# Allegro board 038NC-GRIFFI-V9A_16.brd (continued)
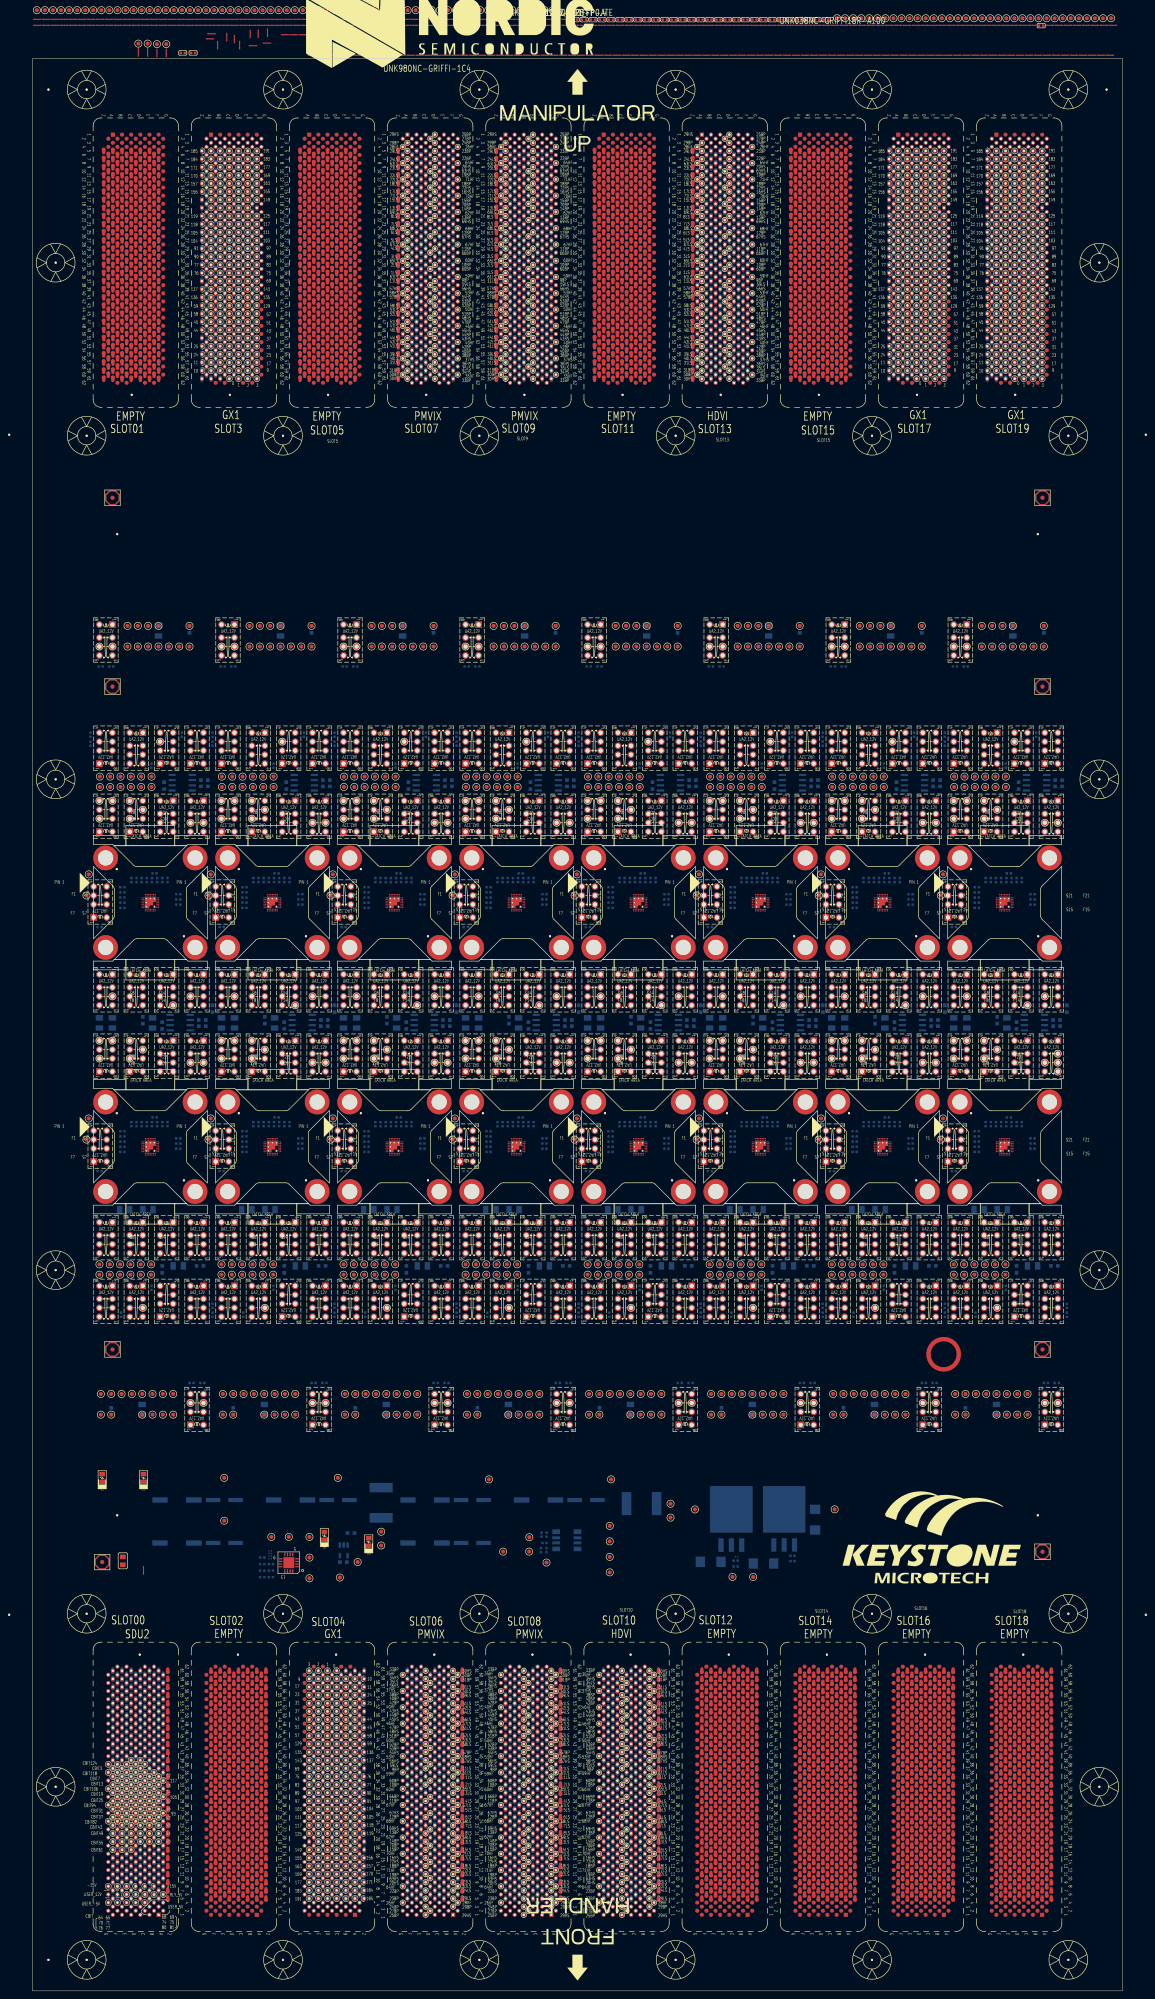
[diagram p0: board, top side]
## Placement (name value [footprint] x y rotation side) (continued)
NOREF#1850  -  []  199.67 242.27 90 top
NOREF#1851  -  []  35.02 284.14 0 top
NOREF#1852  -  []  124.59 228.18 90 top
NOREF#1853  -  []  38.86 307.08 90 top
NOREF#1854  -  []  200.48 210.77 0 top
NOREF#1855  -  []  228.48 174.1 0 top
NOREF#1856  -  []  75.06 207.06 90 top
NOREF#1857  -  []  71.02 250.67 0 top
NOREF#1858  -  []  79.67 183.53 90 top
NOREF#1859  -  []  112.99 188.49 0 top
NOREF#1860  -  []  232.98 248.49 90 top
NOREF#1861  -  []  90.18 205.86 90 top
NOREF#1862  -  []  109.67 165.7 90 top
NOREF#1863  -  []  49.52 17.15 90 top
NOREF#1864  -  []  218.86 292.54 0 top
NOREF#1865  -  []  235.81 19.69 90 top
NOREF#1866  -  []  192.06 246.67 90 top
NOREF#1867  -  []  104.99 223.99 0 top
NOREF#1868  -  []  110.48 210.77 0 top
NOREF#1869  -  []  42.06 246.67 90 top
NOREF#1870  -  []  115.94 189.73 0 top
NOREF#1871  -  []  59.39 209.51 0 top
NOREF#1872  -  []  212.82 396.29 0 top
NOREF#1873  -  []  79.67 185.73 90 top
NOREF#1874  -  []  79.94 300.88 0 top
NOREF#1875  -  []  135.92 284.14 90 top
NOREF#1876  -  []  150.33 266.14 90 top
NOREF#1877  -  []  200.48 270.77 0 top
NOREF#1878  -  []  177.36 268.69 0 top
NOREF#1879  -  []  80.74 275.74 0 top
NOREF#1880  -  []  92.32 120.65 0 top
NOREF#1881  -  []  244.59 181.33 90 top
NOREF#1882  -  []  113.93 231.38 90 top
NOREF#1883  -  []  97.78 17.2 90 top
NOREF#1884  -  []  222.06 165.7 90 top
NOREF#1885  -  []  184.59 289.34 90 top
NOREF#1886  -  []  226.47 288.14 90 top
NOREF#1887  -  []  177.13 183.53 90 top
NOREF#1888  -  []  76.47 304.88 90 top
NOREF#1889  -  []  146.04 17.15 90 top
NOREF#1890  -  []  121.39 307.08 90 top
NOREF#1891  -  []  104.84 117.35 0 top
NOREF#1892  -  []  119.39 269.51 0 top
NOREF#1893  -  []  170.48 210.77 0 top
NOREF#1894  -  []  64.59 185.73 90 top
NOREF#1895  -  []  164.55 18.69 0 top
NOREF#1896  -  []  162.06 246.67 90 top
NOREF#1897  -  []  121.01 206.29 90 top
NOREF#1898  -  []  150.33 206.14 90 top
NOREF#1899  -  []  71.02 189.73 0 top
NOREF#1900  -  []  19.78 456.29 0 top
NOREF#1901  -  []  162.06 230.38 90 top
NOREF#1902  -  []  25.95 189.73 0 top
NOREF#1903  -  []  139.67 185.73 90 top
NOREF#1904  -  []  258.36 240.62 90 top
NOREF#1905  -  []  124.59 246.67 90 top
NOREF#1906  -  []  77.99 218.49 0 top
NOREF#1907  -  []  179.29 207.51 45 top
NOREF#1908  -  []  19.67 181.33 90 top
NOREF#1909  -  []  22.53 310.93 0 top
NOREF#1910  -  []  27.13 246.67 90 top
NOREF#1911  -  []  138.48 174.1 0 top
NOREF#1912  -  []  132.48 284.14 0 top
NOREF#1913  -  []  28.78 456.29 0 top
NOREF#1914  -  []  139.67 181.33 90 top
NOREF#1915  -  []  228.48 250.67 0 top
NOREF#1916  -  []  124.59 183.53 90 top
NOREF#1917  -  []  236.95 396.29 0 top
NOREF#1918  -  []  167.98 218.49 0 top
NOREF#1919  -  []  175.7 198.99 90 top
NOREF#1920  -  []  105.92 225.18 90 top
NOREF#1921  -  []  95.02 225.18 0 top
NOREF#1922  -  []  221.02 336.66 0 top
NOREF#1923  -  []  49.67 242.27 90 top
NOREF#1924  -  []  37.24 259.24 90 top
NOREF#1925  -  []  110.74 215.74 0 top
NOREF#1926  -  []  53.93 188.93 0 top
NOREF#1927  -  []  118.37 267.15 315 top
NOREF#1928  -  []  85.97 240.62 90 top
NOREF#1929  -  []  223.01 240.57 90 top
NOREF#1930  -  []  248.86 307.08 90 top
NOREF#1931  -  []  158.86 188.93 0 top
NOREF#1932  -  []  252.06 289.34 90 top
NOREF#1933  -  []  113.93 225.98 0 top
NOREF#1934  -  []  124.59 230.38 90 top
NOREF#1935  -  []  211.39 304.88 90 top
NOREF#1936  -  []  147.36 208.69 0 top
NOREF#1937  -  []  214.59 244.47 90 top
NOREF#1938  -  []  173.93 249.87 0 top
NOREF#1939  -  []  124.59 244.47 90 top
NOREF#1940  -  []  192.48 225.18 0 top
NOREF#1941  -  []  222.06 289.34 90 top
NOREF#1942  -  []  104.99 250.99 90 top
NOREF#1943  -  []  123.43 300.03 90 top
NOREF#1944  -  []  162.06 287.14 90 top
NOREF#1945  -  []  14.51 203.06 90 top
NOREF#1946  -  []  123.43 164.05 90 top
NOREF#1947  -  []  117.13 306.08 90 top
NOREF#1948  -  []  153.43 240.62 90 top
NOREF#1949  -  []  244.59 183.53 90 top
NOREF#1950  -  []  221.02 250.67 0 top
NOREF#1951  -  []  154.59 183.53 90 top
NOREF#1952  -  []  241.16 295.41 90 top
NOREF#1953  -  []  107.21 143.34 90 top
NOREF#1954  -  []  27.13 183.53 90 top
NOREF#1955  -  []  225.06 267.06 90 top
NOREF#1956  -  []  229.67 328.26 90 top
NOREF#1957  -  []  63.43 240.62 90 top
NOREF#1958  -  []  194.98 250.99 90 top
NOREF#1959  -  []  194.98 190.99 90 top
NOREF#1960  -  []  170.17 17.15 90 top
NOREF#1961  -  []  250.83 14.59 90 top
NOREF#1962  -  []  149.29 207.51 45 top
NOREF#1963  -  []  128.39 193.49 45 top
NOREF#1964  -  []  87.13 301.68 90 top
NOREF#1965  -  []  237.13 170.1 90 top
NOREF#1966  -  []  194.98 221.49 90 top
NOREF#1967  -  []  122.91 82.65 0 top
NOREF#1968  -  []  70.76 109.19 90 top
NOREF#1969  -  []  151.39 165.7 90 top
NOREF#1970  -  []  127.36 333.84 90 top
NOREF#1971  -  []  60.34 206.14 90 top
NOREF#1972  -  []  175.64 103.13 90 top
NOREF#1973  -  []  161.02 336.66 0 top
NOREF#1974  -  []  109.94 164.9 0 top
NOREF#1975  -  []  200.73 275.74 0 top
NOREF#1976  -  []  179.32 208.11 315 top
NOREF#1977  -  []  40.9 237.58 90 top
NOREF#1978  -  []  196.47 301.68 0 top
NOREF#1979  -  []  16.47 231.38 90 top
NOREF#1980  -  []  243.41 293.34 0 top
NOREF#1981  -  []  98.39 253.49 45 top
NOREF#1982  -  []  130.18 389.27 90 top
NOREF#1983  -  []  177.63 268.84 0 top
NOREF#1984  -  []  175.97 240.62 90 top
NOREF#1985  -  []  209.38 269.51 0 top
NOREF#1986  -  []  208.35 207.84 315 top
NOREF#1987  -  []  248.86 139.12 0 top
NOREF#1988  -  []  207.13 246.67 90 top
NOREF#1989  -  []  128.86 173.3 0 top
NOREF#1990  -  []  57.82 107.19 0 top
NOREF#1991  -  []  4.17 164.05 90 top
NOREF#1992  -  []  233.93 225.98 90 top
NOREF#1993  -  []  136.47 307.08 90 top
NOREF#1994  -  []  22.99 248.49 90 top
NOREF#1995  -  []  226.69 14.59 90 top
NOREF#1996  -  []  197.21 143.34 90 top
NOREF#1997  -  []  239.38 209.51 0 top
NOREF#1998  -  []  112.99 286.49 0 top
NOREF#1999  -  []  94.59 284.94 90 top
NOREF#2000  -  []  241.58 392.33 90 top
NOREF#2001  -  []  192.06 225.98 90 top
NOREF#2002  -  []  131.02 174.1 0 top
NOREF#2003  -  []  214.59 287.14 90 top
NOREF#2004  -  []  102.06 230.38 90 top
NOREF#2005  -  []  19.67 242.27 90 top
NOREF#2006  -  []  110.48 270.77 0 top
NOREF#2007  -  []  106.47 288.14 90 top
NOREF#2008  -  []  241.39 165.7 90 top
NOREF#2009  -  []  27.13 165.7 90 top
NOREF#2010  -  []  192.06 181.33 90 top
NOREF#2011  -  []  197.98 196.49 90 top
NOREF#2012  -  []  77.04 456.29 0 top
NOREF#2013  -  []  34.6 183.53 90 top
NOREF#2014  -  []  40.9 239.1 90 top
NOREF#2015  -  []  34.6 181.33 90 top
NOREF#2016  -  []  60.19 265.47 90 top
NOREF#2017  -  []  224.06 18.69 90 top
NOREF#2018  -  []  135.06 263.86 90 top
NOREF#2019  -  []  90.34 206.14 90 top
NOREF#2020  -  []  49.67 330.46 90 top
NOREF#2021  -  []  46.47 335.86 0 top
NOREF#2022  -  []  128.66 177.76 90 top
NOREF#2023  -  []  196.47 284.94 90 top
NOREF#2024  -  []  145.94 189.73 0 top
NOREF#2025  -  []  53.93 284.94 0 top
NOREF#2026  -  []  104.51 203.06 90 top
NOREF#2027  -  []  177.79 269.51 0 top
NOREF#2028  -  []  83.93 231.38 90 top
NOREF#2029  -  []  188.31 138.32 90 top
NOREF#2030  -  []  140.48 210.77 0 top
NOREF#2031  -  []  83.38 284.14 90 top
NOREF#2032  -  []  220.89 224.33 90 top
NOREF#2033  -  []  240.65 236.45 90 top
NOREF#2034  -  []  151.39 249.87 0 top
NOREF#2035  -  []  97.78 17.2 0 top
NOREF#2036  -  []  151.01 206.29 90 top
NOREF#2037  -  []  166.47 188.93 0 top
NOREF#2038  -  []  94.59 289.34 90 top
NOREF#2039  -  []  87.41 300.88 0 top
NOREF#2040  -  []  207.13 170.1 90 top
NOREF#2041  -  []  145.88 237.76 90 top
NOREF#2042  -  []  135.15 107.82 90 top
NOREF#2043  -  []  197.98 218.49 0 top
NOREF#2044  -  []  27.79 209.51 0 top
NOREF#2045  -  []  172.98 248.49 0 top
NOREF#2046  -  []  116.3 396.29 0 top
NOREF#2047  -  []  58.12 107.52 0 top
NOREF#2048  -  []  165.06 207.06 90 top
NOREF#2049  -  []  165.06 269.26 90 top
NOREF#2050  -  []  128.86 139.12 0 top
NOREF#2051  -  []  117.13 303.88 90 top
NOREF#2052  -  []  120.18 265.86 90 top
NOREF#2053  -  []  241.01 206.29 90 top
NOREF#2054  -  []  213.41 293.34 0 top
NOREF#2055  -  []  203.38 225.18 90 top
NOREF#2056  -  []  176.71 106.64 0 top
NOREF#2057  -  []  180.67 176.51 90 top
NOREF#2058  -  []  187.55 263.78 0 top
NOREF#2059  -  []  199.94 164.9 0 top
NOREF#2060  -  []  196.47 173.3 0 top
NOREF#2061  -  []  181.39 165.7 90 top
NOREF#2062  -  []  117.13 181.33 90 top
NOREF#2063  -  []  38.86 173.3 0 top
NOREF#2064  -  []  169.67 330.46 90 top
NOREF#2065  -  []  19.67 244.47 90 top
NOREF#2066  -  []  196.47 301.68 90 top
NOREF#2067  -  []  177.13 244.47 90 top
NOREF#2068  -  []  17.99 256.49 90 top
NOREF#2069  -  []  194.3 17.15 90 top
NOREF#2070  -  []  136.47 229.18 90 top
NOREF#2071  -  []  202.56 389.27 90 top
NOREF#2072  -  []  199.94 300.88 0 top
NOREF#2073  -  []  92.17 396.29 0 top
NOREF#2074  -  []  78.48 310.08 0 top
NOREF#2075  -  []  55.97 164.05 90 top
NOREF#2076  -  []  145.94 293.34 0 top
NOREF#2077  -  []  153.41 250.67 0 top
NOREF#2078  -  []  139.67 165.7 90 top
NOREF#2079  -  []  147.13 185.73 90 top
NOREF#2080  -  []  23.93 225.98 0 top
NOREF#2081  -  []  53.93 173.3 0 top
NOREF#2082  -  []  197.98 256.49 90 top
NOREF#2083  -  []  177.13 301.68 90 top
NOREF#2084  -  []  64.59 246.67 90 top
NOREF#2085  -  []  239.38 269.51 0 top
NOREF#2086  -  []  89.32 268.11 315 top
NOREF#2087  -  []  154.59 284.94 90 top
NOREF#2088  -  []  187.36 333.84 90 top
NOREF#2089  -  []  93.43 240.62 90 top
NOREF#2090  -  []  105.06 203.86 90 top
NOREF#2091  -  []  55.7 258.99 90 top
NOREF#2092  -  []  42.06 170.1 90 top
NOREF#2093  -  []  163.73 107.06 0 top
NOREF#2094  -  []  210.18 265.86 90 top
NOREF#2095  -  []  175.94 234.38 0 top
NOREF#2096  -  []  211.39 168.9 90 top
NOREF#2097  -  []  170.48 270.77 0 top
NOREF#2098  -  []  46.47 288.14 90 top
NOREF#2099  -  []  217.45 392.33 90 top
NOREF#2100  -  []  61.4 171.1 90 top
NOREF#2101  -  []  109.67 183.53 90 top
NOREF#2102  -  []  53.93 231.38 90 top
NOREF#2103  -  []  241.39 301.68 0 top
NOREF#2104  -  []  134.51 203.06 90 top
NOREF#2105  -  []  15.06 263.86 90 top
NOREF#2106  -  []  106.47 229.18 90 top
NOREF#2107  -  []  147.13 165.7 90 top
NOREF#2108  -  []  28.35 207.84 45 top
NOREF#2109  -  []  136.47 301.68 90 top
NOREF#2110  -  []  72.06 181.33 90 top
NOREF#2111  -  []  49.52 17.15 0 top
NOREF#2112  -  []  91.01 206.69 90 top
NOREF#2113  -  []  64.59 244.47 90 top
NOREF#2114  -  []  44.99 250.99 90 top
NOREF#2115  -  []  28.65 266.87 45 top
NOREF#2116  -  []  226.47 225.98 90 top
NOREF#2117  -  []  178.65 266.87 45 top
NOREF#2118  -  []  233.93 249.87 0 top
NOREF#2119  -  []  222.48 284.14 0 top
NOREF#2120  -  []  44.99 221.49 90 top
NOREF#2121  -  []  198.48 250.67 0 top
NOREF#2122  -  []  214.59 185.73 90 top
NOREF#2123  -  []  229.67 242.27 90 top
NOREF#2124  -  []  226.47 188.93 0 top
NOREF#2125  -  []  192.06 183.53 90 top
NOREF#2126  -  []  172.98 248.49 90 top
NOREF#2127  -  []  128.86 139.12 90 top
NOREF#2128  -  []  71.02 174.1 0 top
NOREF#2129  -  []  85.97 164.05 90 top
NOREF#2130  -  []  75.06 267.06 90 top
NOREF#2131  -  []  146.03 119.76 0 top
NOREF#2132  -  []  19.67 330.46 90 top
NOREF#2133  -  []  43.46 240.62 90 top
NOREF#2134  -  []  31.4 301.68 90 top
NOREF#2135  -  []  104.99 193.49 90 top
NOREF#2136  -  []  173.93 284.94 0 top
NOREF#2137  -  []  150.18 265.86 90 top
NOREF#2138  -  []  242.56 17.15 0 top
NOREF#2139  -  []  83.93 225.98 0 top
NOREF#2140  -  []  120.34 206.14 90 top
NOREF#2141  -  []  158.39 253.49 45 top
NOREF#2142  -  []  248.31 138.32 90 top
NOREF#2143  -  []  184.59 183.53 90 top
NOREF#2144  -  []  124.59 284.94 90 top
NOREF#2145  -  []  232.98 226.49 0 top
NOREF#2146  -  []  106.47 307.08 90 top
NOREF#2147  -  []  71.82 117.35 90 top
NOREF#2148  -  []  59.3 120.65 0 top
NOREF#2149  -  []  14.99 250.99 90 top
NOREF#2150  -  []  98.39 193.49 45 top
NOREF#2151  -  []  252.06 167.9 90 top
NOREF#2152  -  []  68.86 233.58 0 top
NOREF#2153  -  []  203.93 284.94 90 top
NOREF#2154  -  []  134.98 190.99 90 top
NOREF#2155  -  []  251.4 296.54 90 top
NOREF#2156  -  []  120.65 236.45 90 top
NOREF#2157  -  []  61.4 168.9 90 top
NOREF#2158  -  []  63.61 203.06 0 top
NOREF#2159  -  []  226.47 304.88 90 top
NOREF#2160  -  []  22.99 286.49 0 top
NOREF#2161  -  []  180.84 300.88 90 top
NOREF#2162  -  []  214.59 284.94 90 top
NOREF#2163  -  []  79.67 332.66 90 top
NOREF#2164  -  []  44.99 190.99 90 top
NOREF#2165  -  []  68.86 144.52 90 top
NOREF#2166  -  []  78.36 283.29 90 top
NOREF#2167  -  []  188.69 396.29 0 top
NOREF#2168  -  []  38.86 301.68 0 top
NOREF#2169  -  []  128.86 142.32 90 top
NOREF#2170  -  []  109.67 246.67 90 top
NOREF#2171  -  []  64.59 289.34 90 top
NOREF#2172  -  []  83.93 284.94 0 top
NOREF#2173  -  []  242.56 17.15 90 top
NOREF#2174  -  []  55.7 198.99 90 top
NOREF#2175  -  []  0 0 90 top
NOREF#2176  -  []  165.92 300.88 90 top
NOREF#2177  -  []  74.51 203.06 90 top
NOREF#2178  -  []  43.91 456.29 0 top
NOREF#2179  -  []  34.6 284.94 90 top
NOREF#2180  -  []  117.41 300.88 0 top
NOREF#2181  -  []  145.7 258.99 90 top
NOREF#2182  -  []  158.86 292.54 0 top
NOREF#2183  -  []  211.68 19.69 90 top
NOREF#2184  -  []  108.36 240.62 90 top
NOREF#2185  -  []  180.33 266.14 90 top
NOREF#2186  -  []  76.47 188.93 0 top
NOREF#2187  -  []  140.48 270.77 0 top
NOREF#2188  -  []  120.84 164.9 90 top
NOREF#2189  -  []  162.06 181.33 90 top
NOREF#2190  -  []  248.86 233.58 0 top
NOREF#2191  -  []  121.39 301.68 0 top
NOREF#2192  -  []  43.9 20.69 90 top
NOREF#2193  -  []  195.06 209.26 90 top
NOREF#2194  -  []  30.34 266.14 90 top
NOREF#2195  -  []  136.47 284.94 0 top
NOREF#2196  -  []  74.99 221.49 90 top
NOREF#2197  -  []  63.41 293.34 0 top
NOREF#2198  -  []  147.13 246.67 90 top
NOREF#2199  -  []  75.06 269.26 90 top
NOREF#2200  -  []  139.67 328.26 90 top
NOREF#2201  -  []  42.61 174.1 0 top
NOREF#2202  -  []  31.4 292.54 0 top
NOREF#2203  -  []  207.13 181.33 90 top
NOREF#2204  -  []  31.4 171.1 90 top
NOREF#2205  -  []  82.73 114.89 90 top
NPM1212-GRIFFI  REF-CODE-CHIP  [CHIP_CODE]  129.78 486.39 0 top
NPM1212-QFN28-P0.4  REF-CODE-CHIP  [CHIP_CODE]  130.39 486.39 0 top
R7  20K-1-S2  [R0201]  58.42 108.17 0 bottom
R8  20K-1-S2  [R0201]  58.42 107.52 0 bottom
R9  20K-1-S2  [R0201]  58.42 106.22 0 bottom
R10  20K-1-S2  [R0201]  58.42 106.87 0 bottom
R21  10K-1-S4  [R0402]  126.36 108.34 90 bottom
R22  0-1-S4-YA  [R0402]  125.14 112.15 270 bottom
R23  0-1-S4-YA  [R0402]  125.01 108.34 270 bottom
R24  0-1-S4-YA  [R0402]  125.86 110.11 180 bottom
R376  118-1-S2-YA  [R0201]  173.06 106.73 0 bottom
R378  365-1-S4  [R0402]  186.82 105.63 180 bottom
R381  750-1-S4  [R0402]  172.86 105.74 180 bottom
R382  75-1-S4  [R0402]  172.86 104.32 0 bottom
R383  121-1-S4  [R0402]  186.82 106.94 0 bottom
REG1_P3V3  TP01  [TP_040_T]  75.57 101.6 0 top
REG1_P_5V  TP01  [TP_040_T]  197.21 118.36 0 top
REG1_P_10V  TP01  [TP_040_T]  162.85 118.34 0 top
RLY_5V1  LDG-2-S8  [LED_0805]  27.31 126.05 90 top
SDUP5V1  TP01  [TP_040_T]  85.73 112.86 270 top
SDUP15V1  TP01  [TP_040_T]  156.86 119.76 0 top
SITE1  NPM1212-QFN28-P0.4  [SK_QFN4X4_56P_0P4MM_GRIFFI]  28.99 267.49 0 top
SITE2  NPM1212-QFN28-P0.4  [SK_QFN4X4_56P_0P4MM_GRIFFI]  28.99 207.49 0 top
SITE3  NPM1212-QFN28-P0.4  [SK_QFN4X4_56P_0P4MM_GRIFFI]  58.99 267.49 0 top
SITE4  NPM1212-QFN28-P0.4  [SK_QFN4X4_56P_0P4MM_GRIFFI]  58.99 207.49 0 top
SITE5  NPM1212-QFN28-P0.4  [SK_QFN4X4_56P_0P4MM_GRIFFI]  88.99 267.49 0 top
SITE6  NPM1212-QFN28-P0.4  [SK_QFN4X4_56P_0P4MM_GRIFFI]  88.99 207.49 0 top
SITE7  NPM1212-QFN28-P0.4  [SK_QFN4X4_56P_0P4MM_GRIFFI]  118.99 267.49 0 top
SITE8  NPM1212-QFN28-P0.4  [SK_QFN4X4_56P_0P4MM_GRIFFI]  118.99 207.49 0 top
SITE9  NPM1212-QFN28-P0.4  [SK_QFN4X4_56P_0P4MM_GRIFFI]  148.98 267.49 0 top
SITE10  NPM1212-QFN28-P0.4  [SK_QFN4X4_56P_0P4MM_GRIFFI]  148.98 207.49 0 top
SITE11  NPM1212-QFN28-P0.4  [SK_QFN4X4_56P_0P4MM_GRIFFI]  178.98 267.49 0 top
SITE12  NPM1212-QFN28-P0.4  [SK_QFN4X4_56P_0P4MM_GRIFFI]  178.98 207.49 0 top
SITE13  NPM1212-QFN28-P0.4  [SK_QFN4X4_56P_0P4MM_GRIFFI]  208.98 267.49 0 top
SITE14  NPM1212-QFN28-P0.4  [SK_QFN4X4_56P_0P4MM_GRIFFI]  208.98 207.49 0 top
SITE15  NPM1212-QFN28-P0.4  [SK_QFN4X4_56P_0P4MM_GRIFFI]  238.98 267.49 0 top
SITE16  NPM1212-QFN28-P0.4  [SK_QFN4X4_56P_0P4MM_GRIFFI]  238.98 207.49 0 top
SLOT0  DIAMONDX_SLOT0_SDU2  [PG_LTXDX_F_X1_SDU2_SL00_V3]  133.99 237.49 0 top
SLOT1  DIAMONDX_X1_DUT  [PG_LTXDX_F_X1_PG400ND_SL01_V3]  133.99 237.49 0 top
SLOT2  DIAMONDX_X1_DUT  [PG_LTXDX_F_X1_PG400ND_SL02_V3]  133.99 237.49 0 top
SLOT3  DIAMONDX_SLOT3_GX1X  [PG_LTXDX_F_X1_GX1X_SL03_V2]  133.99 237.49 0 top
SLOT4  DIAMONDX_SLOT4_GX1X  [PG_LTXDX_F_X1_GX1X_SL04]  133.99 237.49 0 top
SLOT5  DIAMONDX_X1_DUT  [PG_LTXDX_F_X1_PG400ND_SL05_V3]  133.99 237.49 0 top
SLOT6  DIAMONDX_SLOT6_PMVIX  [PG_LTXDX_F_X1_PMVIX_SL06]  133.99 237.49 0 top
SLOT7  DIAMONDX_SLOT7_PMVIX  [PG_LTXDX_F_X1_PMVIX_SL07]  133.99 237.49 0 top
SLOT8  DIAMONDX_SLOT8_PMVIX  [PG_LTXDX_F_X1_PMVIX_SL08]  133.99 237.49 0 top
SLOT9  DIAMONDX_SLOT9_PMVIX  [PG_LTXDX_F_X1_PMVIX_SL09]  133.99 237.49 0 top
SLOT10  DIAMONDX_SLOT10_HDVI  [PG_LTXDX_F_X1_HDVI_SL10_V3]  133.99 237.49 0 top
SLOT11  DIAMONDX_X1_DUT  [PG_LTXDX_F_X1_PG400ND_SL11_V3]  133.99 237.49 0 top
SLOT12  DIAMONDX_X1_DUT  [PG_LTXDX_F_X1_PG400ND_SL12_V3]  133.99 237.49 0 top
SLOT13  DIAMONDX_SLOT13_HDVI  [PG_LTXDX_F_X1_HDVI_SL13_V3]  133.99 237.49 0 top
SLOT14  DIAMONDX_X1_DUT  [PG_LTXDX_F_X1_PG400ND_SL14_V3]  133.99 237.49 0 top
SLOT15  DIAMONDX_X1_DUT  [PG_LTXDX_F_X1_PG400ND_SL15_V3]  133.99 237.49 0 top
SLOT16  DIAMONDX_X1_DUT  [PG_LTXDX_F_X1_PG400ND_SL16_V3]  133.99 237.49 0 top
SLOT17  DIAMONDX_SLOT17_GX1X  [PG_LTXDX_F_X1_GX1_SL17_V2]  133.99 237.49 0 top
SLOT18  DIAMONDX_X1_DUT  [PG_LTXDX_F_X1_PG400ND_SL18_V3]  133.99 237.49 0 top
SLOT19  DIAMONDX_SLOT19_GX1X  [PG_LTXDX_F_X1_GX1_SL19_V2]  133.99 237.49 0 top
T_+15V  TP01  [TP_040_T]  142.22 125.73 0 top
T_-15V  TP01  [TP_040_T]  47.14 115.57 0 top
T_RLY_5V  TP01  [TP_040_T]  47.14 126.11 0 top
T_USER_5V  TP01  [TP_040_T]  75.08 126.11 0 top
T_USER_12V  TP01  [TP_040_T]  112.22 125.73 0 top
T_USER_-5V  TP01  [TP_040_T]  115.7 107.98 0 top
TP_EEP_GND  TP01  [TP_040_T]  141.91 106.68 0 top
TP_EPP_SCLK  TP01  [TP_040_T]  122.15 111.51 0 top
TP_EPP_SCLK_DGND1  TP01  [TP_040_T]  141.91 110.49 0 top
TP_EPP_SDA  TP01  [TP_040_T]  122.1 107.98 0 top
TP_EPP_SDA_DGND1  TP01  [TP_040_T]  141.91 102.87 0 top
TP_EPP_VCC  TP01  [TP_040_T]  126.37 105.28 0 top
TP_EPP_VCC_DGND1  TP01  [TP_040_T]  141.91 114.3 0 top
TP_REG1_P3V3  TP01  [TP_040_T]  79.94 105.41 0 top
TP_REG1_P_5V_DGND  TP01  [TP_040_T]  177.17 101.75 0 top
TP_REG1_P_10V_DGND  TP01  [TP_040_T]  172.09 101.75 0 top
TP_SDUP5V1  TP01  [TP_040_T]  85.73 109.47 270 top
TP_SDUP15V1  TP01  [TP_040_T]  156.86 116.33 0 top
TP_USER_GND1  TP01  [TP_040_T]  63.02 111.58 90 top
TP_USER_SCLK1  TP01  [TP_040_T]  68.1 101.42 0 top
TP_USER_SCLK1_DGND1  TP01  [TP_040_T]  68.1 106.5 0 top
TP_USER_SDA1  TP01  [TP_040_T]  58.72 111.58 0 top
TP_USER_SDA1_DGND1  TP01  [TP_040_T]  68.1 111.58 0 top
U4  ADT7420UCPZ-LFCSP16  [LFCSP16_0P65MM_G]  63.02 105.23 180 top
U6  AT24C512C-SSHM-T-SOIC8  [SO8_206X127MM]  131.34 110.74 180 bottom
U44  ADP151AUJZ-0.2A-33-TSOT23-5  [TSOT23-5]  76.51 108.28 180 bottom
U46  LM1086-1.5A-A-TO263-1  [TO263_3]  171.81 115.93 180 bottom
U47  LM1086-1.5A-A-TO263-1  [TO263_3]  184.79 115.95 180 bottom
UNK0BS1  SHORT  [DEFAULT_SHORT_SMALL]  33.48 57.25 90 top
UNK0BS2  SHORT  [DEFAULT_SHORT_SMALL]  27.31 103.38 270 top
UNK1C1  1U-6.3-X7R-S6-MU  [C0603]  38.61 334.69 270 bottom
UNK1C2  2.2U-25-X8R-SA-TDK  [C1206]  29.52 237.92 90 bottom
UNK1C3  10U-6.3-X7R-S6-SS  [C0603]  27.13 238.61 270 bottom
UNK1C4  2.2U-25-X8R-SA-TDK  [C1206]  19.67 237.92 90 bottom
UNK1C5  2.2U-25-X8R-SA-TDK  [C1206]  16.47 237.92 270 bottom
UNK1C6  4.7U-6.3-X-S6  [C0603]  44.26 241.42 270 bottom
UNK1C7  0.1U-25-X7R-S6-YA  [C0603]  42.25 297.61 0 bottom
UNK1C8  1U-50-X7R-S6-TY  [C0603]  42.25 296.09 0 bottom
UNK1C9  0.1U-25-X7R-S6-YA  [C0603]  32.41 296.26 270 bottom
UNK1C12  2.2U-25-X8R-SA-TDK  [C1206]  30.99 334.29 270 bottom
UNK1CS1  CNC-S4  [C0402]  22.12 271.3 180 bottom
UNK1CS4  CNC-S4  [C0402]  22.12 267.49 0 bottom
UNK1CS5  CNC-S4  [C0402]  22.12 266.22 0 bottom
UNK1CS19  CNC-S4  [C0402]  35.85 267.02 0 bottom
UNK1CS20  CNC-S4  [C0402]  35.85 268.29 0 bottom
UNK1CS21  CNC-S4  [C0402]  35.85 269.56 0 bottom
UNK1CS22  CNC-S4  [C0402]  33.2 273.05 90 bottom
UNK1CS23  CNC-S4  [C0402]  31.93 273.05 90 bottom
UNK1CS25  CNC-S4  [C0402]  28.12 273.05 90 bottom
UNK1CS26  CNC-S4  [C0402]  26.85 273.05 270 bottom
UNK1CS27  CNC-S4  [C0402]  25.58 273.05 270 bottom
UNK1CS28  CNC-S4  [C0402]  24.31 273.05 90 bottom
UNK1K1  UA2-12NJ-V2  [RL_NECUA2_12V_V2]  33 246.27 90 bottom
UNK1K2  UA2-12NJ-V2  [RL_NECUA2_12V_V2]  25.53 246.27 90 bottom
UNK1K3  UA2-12NJ-V2  [RL_NECUA2_12V_V2]  16.66 267.46 270 bottom
UNK1K4  UA2-12NJ-V2  [RL_NECUA2_12V_V2]  33 305.28 270 bottom
UNK1K5  UA2-12NJ-V2  [RL_NECUA2_12V_V2]  40.46 305.28 270 bottom
UNK1K6  UA2-12NJ-V2  [RL_NECUA2_12V_V2]  25.53 305.68 90 bottom
UNK1K7  UA2-12NJ-V2  [RL_NECUA2_12V_V2]  18.07 305.28 270 bottom
UNK1K8  UA2-12NJ-V2  [RL_NECUA2_12V_V2]  18.07 246.27 90 bottom
UNK1K9  UA2-12NJ-V2  [RL_NECUA2_12V_V2]  18.07 332.26 90 bottom
UNK1K10  UA2-12NJ-V2  [RL_NECUA2_12V_V2]  33 288.94 90 bottom
UNK1K11  UA2-12NJ-V2  [RL_NECUA2_12V_V2]  40.46 246.27 90 bottom
UNK1K12  UA2-12NJ-V2  [RL_NECUA2_12V_V2]  40.46 288.94 90 bottom
UNK1K13  UA2-12NJ-V2  [RL_NECUA2_12V_V2]  18.07 288.54 270 bottom
UNK1K14  UA2-12NJ-V2  [RL_NECUA2_12V_V2]  25.53 288.54 270 bottom
UNK1R1  4.7K-1-S4-WA  [R0402]  16.51 261.49 180 bottom
UNK1R2  3.01K-0.1-S4-PAN  [R0402]  36.73 308.78 270 bottom
UNK1R3  10K-0.1-S4  [R0402]  29.26 301.18 270 bottom
UNK1R7  1K-1-S4  [R0402]  16.75 325.55 180 bottom
UNK1R8  1K-1-S4  [R0402]  19.39 325.55 0 bottom
UNK1R13  0-5-S4  [R0402]  36.96 476.38 0 top
UNK1R14  0-5-S4  [R0402]  39.5 476.38 0 top
UNK1R41  24K-0.1-S4  [R0402]  14.26 308.78 270 bottom
UNK1R42  44.2K-0.1-S4-PAN  [R0402]  14.26 306.58 270 bottom
UNK1RS1  0-5-S4  [R0402]  22.12 268.76 0 bottom
UNK1RS2  NC/0-5-S4  [R0402]  29.39 273.05 270 bottom
UNK1RS3  NC/0-5-S4  [R0402]  22.12 270.03 0 bottom
UNK1RS4  0-5-S4  [R0402]  30.66 273.05 270 bottom
UNK1RS5  0-5-S4  [R0402]  30.02 274.7 0 bottom
UNK1SH2  SHORT  [DEFAULT_SHORT_SMALL]  45.52 478.27 270 top
UNK1SH7  SHORT  [DEFAULT_SHORT_SMALL]  47.78 480.26 270 top
UNK1SH9  SHORT  [DEFAULT_SHORT_SMALL]  55.5 481.08 270 top
UNK1SH14  SHORT  [DEFAULT_SHORT_SMALL]  57.79 481.33 270 top
UNK1SH16  SHORT  [DEFAULT_SHORT_SMALL]  54.23 478.15 0 top
UNK1SH20  SHORT  [DEFAULT_SHORT_SMALL]  49.64 479.77 270 top
UNK1SH29  SHORT  [DEFAULT_SHORT_SMALL]  53.54 481.04 270 top
UNK1SH30  SHORT  [DEFAULT_SHORT_SMALL]  50.93 478.28 270 top
UNK1SH32  SHORT  [DEFAULT_SHORT_SMALL]  62.12 480.85 0 top
UNK1SH33  SHORT  [DEFAULT_SHORT_SMALL]  64.32 480.85 0 top
UNK1SH34  SHORT  [DEFAULT_SHORT_SMALL]  66.53 480.85 0 top
UNK1SH35  SHORT  [DEFAULT_SHORT_SMALL]  28.32 476.5 270 top
UNK1SH36  SHORT  [DEFAULT_SHORT_SMALL]  26.04 476.5 270 top
UNK1SH37  SHORT  [DEFAULT_SHORT_SMALL]  32.89 476.38 270 top
UNK1SH38  SHORT  [DEFAULT_SHORT_SMALL]  30.61 476.38 270 top
UNK1SH39  SHORT  [DEFAULT_SHORT_SMALL]  57.66 478.79 0 top
UNK1SH40  SHORT  [DEFAULT_SHORT_SMALL]  44.02 481.08 0 top
UNK1SH41  SHORT  [DEFAULT_SHORT_SMALL]  43.64 479.83 0 top
UNK1TP_AVSS2/TST  TP01  [TP_040_T]  13.84 274.45 0 top
UNK1TP_GPIO0  TP01  [TP_040_T]  16.57 295.94 90 top
UNK1TP_GPIO1  TP01  [TP_040_T]  16.57 298.48 270 top
UNK1TP_GPIO2  TP01  [TP_040_T]  29.27 295.94 0 top
UNK1TP_GPIO3  TP01  [TP_040_T]  29.27 298.48 270 top
UNK1TP_GPIO4  TP01  [TP_040_T]  26.73 295.94 270 top
UNK1TP_LED0  TP01  [TP_040_T]  24.19 298.48 270 top
UNK1TP_LED1  TP01  [TP_040_T]  24.19 295.94 90 top
UNK1TP_LED2  TP01  [TP_040_T]  26.73 298.48 270 top
UNK1TP_LSIN1_F  TP01  [TP_040_T]  30.99 330.46 0 top
UNK1TP_LSIN1_G  TP01  [TP_040_T]  28.32 478.66 0 top
UNK1TP_LSIN1_S  TP01  [TP_040_T]  28.45 330.46 0 top
UNK1TP_LSIN2/NCHGEN_F  TP01  [TP_040_T]  30.99 335.54 0 top
UNK1TP_LSIN2/NCHGEN_G  TP01  [TP_040_T]  32.89 478.54 0 top
UNK1TP_LSIN2/NCHGEN_S  TP01  [TP_040_T]  28.45 335.54 0 top
UNK1TP_LSOUT1_F  TP01  [TP_040_T]  19.67 244.47 180 top
UNK1TP_LSOUT1_G  TP01  [TP_040_T]  26.04 478.66 0 top
UNK1TP_LSOUT1_S  TP01  [TP_040_T]  21.65 298.48 270 top
UNK1TP_LSOUT2/SUSPEND1_G  TP01  [TP_040_T]  30.61 478.54 0 top
UNK1TP_LSOUT2/SUSPEND1_S  TP01  [TP_040_T]  21.65 295.94 0 top
UNK1TP_LSOUT2/SUSPEND_F  TP01  [TP_040_T]  38.86 244.47 180 top
UNK1TP_NCHG/ATB0_F  TP01  [TP_040_T]  23.93 292.54 0 top
UNK1TP_NCHG/ATB0_G  TP01  [TP_040_T]  23.93 288.14 0 top
UNK1TP_NCHG/ATB0_S  TP01  [TP_040_T]  27.13 290.34 0 top
UNK1TP_NPG/ATB1_F  TP01  [TP_040_T]  16.47 292.54 0 top
UNK1TP_NPG/ATB1_G  TP01  [TP_040_T]  16.47 288.14 0 top
UNK1TP_NPG/ATB1_S  TP01  [TP_040_T]  19.67 292.54 0 top
UNK1TP_NTC  TP01  [TP_040_T]  31.4 307.08 180 top
UNK1TP_REF_5V  TP01  [TP_040_T]  34.6 242.27 180 top
UNK1TP_SCL  TP01  [TP_040_T]  16.47 330.46 0 top
